# Allegro board 1155001-Timing_board_V3_20241024_1805_pcb.brd (continued)
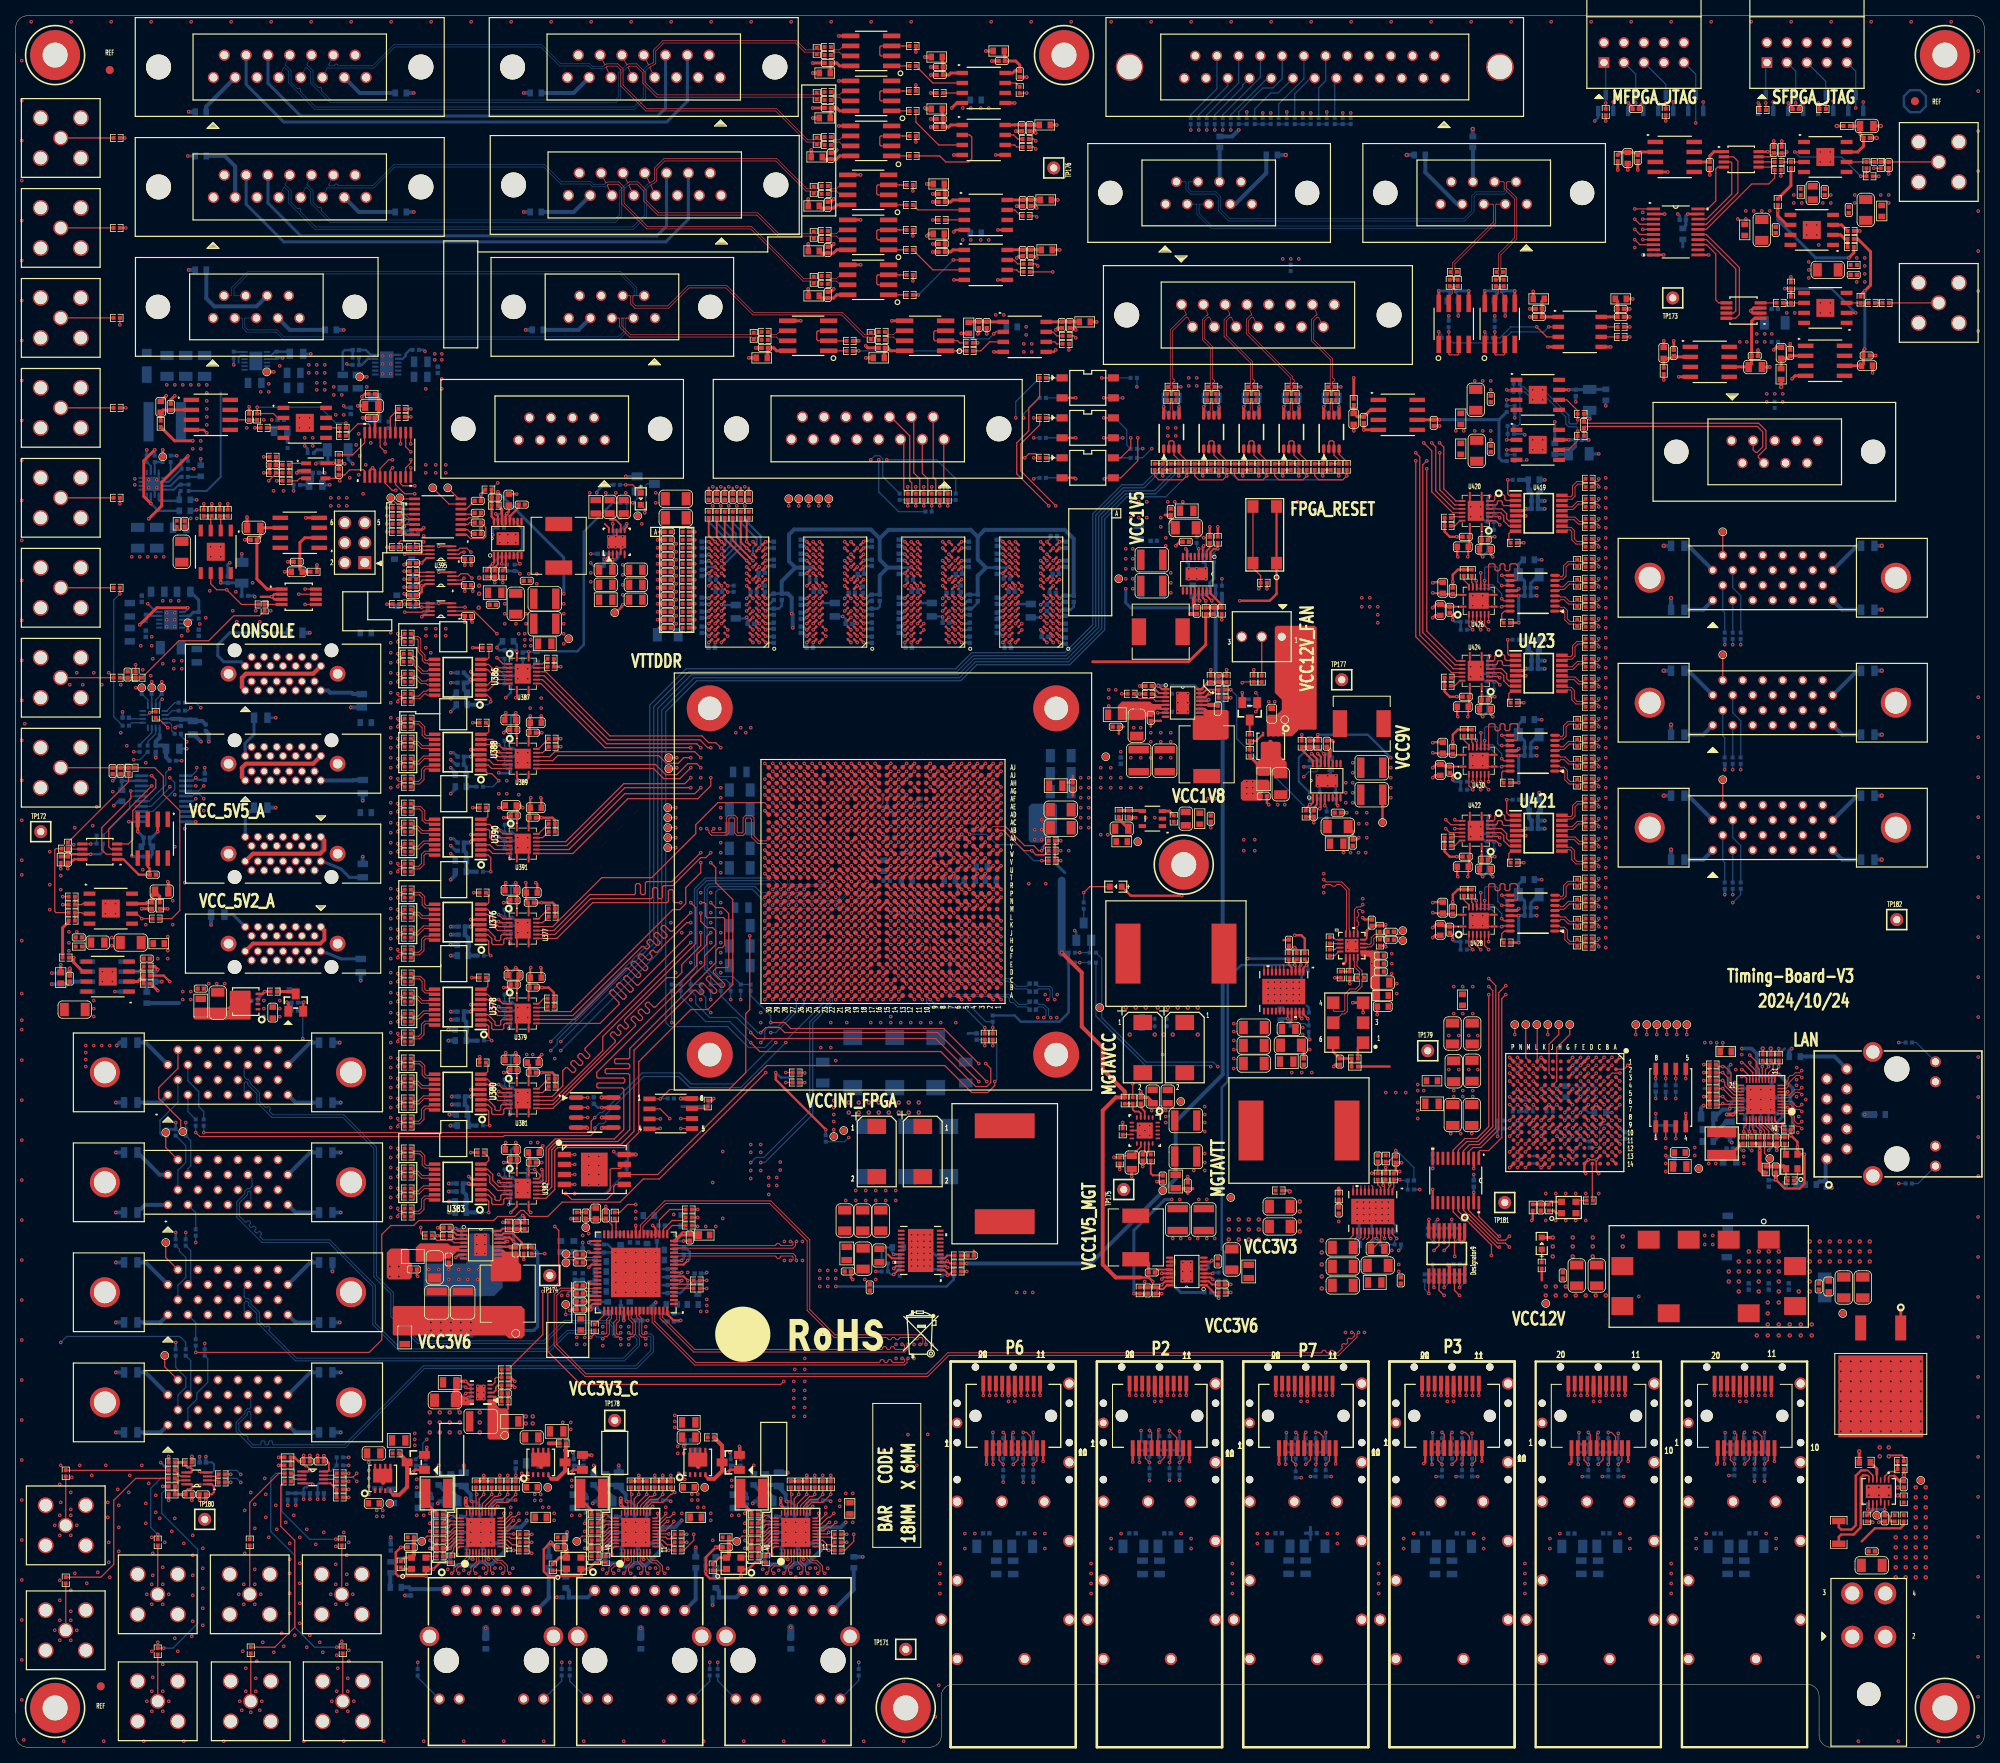
[diagram p0: board, top side]
## Placement (name value [footprint] x y rotation side) (continued)
R165  100  [R0402]  117.14 113.33 180 bottom
R219  10K  [R0402]  74.3 150.11 180 bottom
R220  10K  [R0402]  77.22 158.12 0 bottom
R221  10K  [R0402]  76.07 151.64 180 bottom
R233  33_DNP  [R0402]  123.06 90.3 90 bottom
R276  1K  [R0402_BGA]  103.14 108.5 0 bottom
R277  10K  [R0402]  83.19 82.42 180 bottom
R337  1K  [R0402]  131.57 112.65 180 top
R338  1K_DNP  [R0402]  131.57 115.19 180 top
R339  1K_DNP  [R0402]  131.57 113.92 180 top
R340  1K  [R0402]  131.57 113.92 0 bottom
R341  1K  [R0402]  131.57 115.19 0 bottom
R342  1K_DNP  [R0402]  131.57 112.65 0 bottom
R391  4.7K  [R0402]  184.95 37.08 270 bottom
R392  4.7K  [R0402]  183.68 37.08 270 bottom
R395  330  [R0402]  134.11 100.97 0 bottom
R396  330  [R0402]  135.64 106.93 90 bottom
R455  10K  [R0402]  209.55 207.77 90 top
R456  10K  [R0402]  201.93 207.77 90 top
R458  240  [R0402]  113.54 148.34 180 bottom
R459  0  [R0402]  76.33 156.21 0 bottom
R460  40.2  [R0402]  90.04 156.59 270 top
R461  40.2  [R0402]  89.03 156.59 270 bottom
R462  40.2  [R0402]  91.06 156.59 270 top
R463  40.2  [R0402]  85.09 149.35 0 top
R464  40.2  [R0402]  85.09 153.42 0 top
R465  40.2  [R0402]  92.08 156.59 270 bottom
R466  40.2  [R0402]  85.09 154.43 0 top
R467  40.2  [R0402]  93.09 156.59 270 bottom
R468  40.2  [R0402]  88.01 156.59 270 top
R469  40.2  [R0402]  92.08 156.59 270 top
R470  40.2  [R0402]  85.09 148.34 0 top
R471  40.2  [R0402]  88.01 156.59 270 bottom
R472  40.2  [R0402]  90.04 156.59 270 bottom
R473  40.2  [R0402]  93.09 156.59 270 top
R474  40.2  [R0402]  89.03 156.59 270 top
R475  40.2  [R0402]  91.06 156.59 270 bottom
R476  40.2  [R0402]  85.09 150.37 0 top
R477  40.2  [R0402]  85.09 152.4 0 top
R478  40.2  [R0402]  85.09 151.38 0 top
R479  40.2  [R0402]  85.09 144.27 0 top
R480  40.2  [R0402]  85.09 147.32 0 top
R481  40.2  [R0402]  85.09 146.3 0 top
R482  40.2  [R0402]  85.09 143.26 0 top
R483  40.2  [R0402]  85.09 145.29 0 top
R484  40.2  [R0402]  85.09 142.24 0 top
R488  80.6  [R0402]  91.19 147.19 90 bottom
R490  240  [R0402]  125.86 148.46 180 bottom
R492  240  [R0402]  88.52 148.34 180 bottom
R494  240  [R0402]  101.22 148.34 180 bottom
R495  4.7K  [R0402]  87.88 81.79 270 top
R496  4.7K  [R0402]  69.71 75.31 0 bottom
R497  4.7K  [R0402]  69.71 72.77 0 bottom
R498  4.7K  [R0402]  77.6 73.91 270 bottom
R499  4.7K  [R0402]  71.25 82.55 0 bottom
R500  4.7K  [R0402]  71.25 81.28 0 bottom
R501  4.7K  [R0402]  71.25 80.01 0 bottom
R502  0_DNP  [R0402]  90.81 96.52 270 bottom
R503  0  [R0402]  85.72 96.52 270 bottom
R504  0_DNP  [R0402]  87 96.52 270 bottom
R505  0  [R0402]  84.45 96.52 270 bottom
R506  0_DNP  [R0402]  83.31 96.52 270 bottom
R507  0  [R0402]  123.06 90.3 270 top
R508  0_DNP  [R0402]  124.08 90.3 270 bottom
R509  0  [R0402]  93.34 96.52 270 bottom
R510  0_DNP  [R0402]  92.08 96.52 270 bottom
R511  0  [R0402]  89.53 96.52 270 bottom
R512  0_DNP  [R0402]  88.27 96.52 270 bottom
R513  4.7K  [R0402]  183.39 65.53 270 bottom
R516  4.7K  [R0402]  182.41 38.86 90 bottom
R517  4.7K  [R0402]  181.14 38.86 90 bottom
R520  4.7K  [R0402]  145.25 39.12 90 bottom
R521  4.7K  [R0402]  143.98 39.12 90 bottom
R657  1K  [R0402]  204.47 77.72 90 bottom
R658  4.7K  [R0402]  208.28 78.61 270 bottom
R659  4.7K  [R0402]  210.82 78.61 270 bottom
R660  4.7K  [R0402]  209.55 83.69 90 bottom
R665  0_DNP  [R0402_BGA]  198.72 80.14 0 bottom
R666  0_DNP  [R0402]  194.82 80.77 180 bottom
R667  10K  [R0402]  229.49 208.15 0 top
R668  10K  [R0402]  221.87 208.03 0 top
R669  0  [R0402]  199.9 69.47 0 top
R670  0  [R0402]  210.82 83.69 270 bottom
R676  0  [R0402]  124.08 90.3 270 top
R678  0  [R0402]  136.78 99.69 0 bottom
R680  0  [R0402]  136.78 100.97 0 bottom
R784  4.7K  [R0402]  188.59 79.63 0 bottom
R785  4.7K  [R0402]  192.28 80.77 0 bottom
R786  0  [R0402]  190.5 80.77 0 bottom
R787  330  [R0402]  188.59 78.61 0 bottom
R788  0_DNP  [R0402]  199.9 76.58 90 bottom
R789  0_DNP  [R0402_BGA]  196.72 80.15 180 bottom
R790  0_DNP  [R0402_BGA]  196.72 81.15 180 bottom
R791  0_DNP  [R0402_BGA]  198.22 81.64 90 bottom
R833  10_DNP  [R0603]  227.97 71.5 180 bottom
R834  330  [R0402]  240.41 71.63 0 bottom
R835  330  [R0402]  240.41 89.53 0 bottom
R844  0  [R0402]  222.63 77.09 90 top
R845  2.49K  [R0402]  225.04 78.49 0 top
R848  0  [R0402]  225.43 72.01 180 top
R849  1.5K  [R0402]  222.88 87.63 270 bottom
R850  4.7K  [R0402]  220.47 77.09 90 top
R851  4.7K  [R0402]  223.9 87.63 270 bottom
R852  0  [R0402]  219.46 77.09 270 bottom
R853  0  [R0402]  223.9 87.63 90 top
R854  0  [R0402]  222.88 87.63 90 top
R855  0  [R0402]  221.87 87.63 90 top
R856  4.7K_DNP  [R0402]  215.52 86.74 180 bottom
R857  4.7K  [R0402]  215.52 86.74 0 top
R858  0  [R0402]  224.66 77.09 90 top
R860  4.7K_DNP  [R0402]  215.52 81.66 0 bottom
R861  4.7K_DNP  [R0402]  215.52 82.68 0 bottom
R862  4.7K_DNP  [R0402]  215.52 85.72 0 top
R863  4.7K  [R0402]  215.52 84.71 0 top
R864  4.7K  [R0402]  215.52 83.69 0 bottom
R865  4.7K_DNP  [R0402]  221.49 77.09 90 top
R866  4.7K_DNP  [R0402]  221.49 77.09 90 bottom
R867  4.7K  [R0402]  220.47 77.09 90 bottom
R868  4.7K  [R0402]  215.52 81.66 180 top
R869  4.7K  [R0402]  215.52 82.68 180 top
R870  4.7K  [R0402]  215.52 85.72 180 bottom
R871  4.7K_DNP  [R0402]  215.52 84.71 180 bottom
R872  4.7K_DNP  [R0402]  215.52 83.69 180 top
R873  4.7K  [R0402]  221.62 79.38 90 bottom
R874  4.7K  [R0402]  220.6 79.38 90 bottom
R875  4.7K_DNP  [R0402]  219.58 79.38 90 bottom
R931  0  [R0402]  16.76 126.87 90 bottom
R934  0  [R0402]  13.97 129.79 0 bottom
R935  0  [R0402]  18.54 134.24 90 bottom
R936  0  [R0402]  17.27 134.24 90 bottom
R937  0  [R0402]  16 134.24 90 bottom
R943  0  [R0402]  20.57 128.78 0 bottom
R944  0  [R0402]  21.08 131.7 0 bottom
R945  0  [R0402]  21.08 132.72 0 bottom
R946  0  [R0402]  17.78 131.19 270 top
R984  0_DNP  [R0402]  170.05 87.5 180 top
R985  100  [R0402]  170.81 97.79 180 top
R986  0  [R0402]  194.69 68.58 90 top
R987  10K  [R0402]  169.42 98.17 90 top
R988  0_DNP  [R0402]  168.28 98.17 90 top
R991  49.9  [R0402]  173.25 102.23 270 top
R992  49.9  [R0402]  173.23 104.01 90 top
R993  0  [R0402]  12.83 158.75 0 top
R994  0  [R0402]  74.3 63.88 180 bottom
R995  0  [R0402]  86.49 58.29 0 top
R996  0  [R0402]  86.49 59.31 0 top
R997  0  [R0402]  85.47 66.29 0 top
R998  0  [R0402]  85.47 67.31 0 top
R999  0  [R0402]  85.47 68.33 0 top
R1000  0  [R0402]  76.07 67.56 90 top
R1001  0  [R0402]  73.53 53.34 270 top
R1004  11K  [R0402]  71.25 67.56 90 top
R1005  430  [R0402]  71.5 58.42 180 bottom
R1033  10K  [R0402]  235.08 29.08 90 top
R1034  10m  [R1206]  231.52 27.3 90 top
R1036  100K  [R0402]  239.78 31.5 90 top
R1037  680K  [R0402]  239.78 29.08 90 top
R1038  1M  [R0402]  234.82 30.91 0 bottom
R1039  1M  [R0402]  238.63 29.08 270 top
R1040  49.9K  [R0402]  239.4 36.35 180 top
R1041  100K  [R0402]  119.63 61.47 180 top
R1042  187K_DNP  [R0402]  110.36 60.45 0 bottom
R1043  110K  [R0402]  112.27 60.33 90 bottom
R1044  100K  [R0402]  112.27 61.98 270 bottom
R1045  44.2K  [R0402]  119.13 60.33 90 bottom
R1046  15K  [R0402]  117.6 60.33 270 bottom
R1047  10K  [R0402]  119.63 60.45 0 top
R1048  10K  [R0402]  117.6 62.1 90 bottom
R1049  2  [R0402]  119.63 62.48 0 top
R1050  124K_DNP  [R0402]  110.36 61.47 0 bottom
R1051  0  [R0402]  166.5 118.49 90 bottom
R1052  18.2K  [R0402]  165.61 120.9 90 bottom
R1053  0_DNP  [R0402]  167.64 120.9 270 bottom
R1054  0  [R0402]  163.83 118.62 90 top
R1055  1M  [R0402]  165.35 127.51 90 top
R1056  97.6K  [R0402]  163.32 127.51 90 top
R1057  1M  [R0402]  153.78 135.73 90 top
R1058  10K  [R0402]  153.16 133.35 180 top
R1059  0  [R0402]  141.6 133.86 0 top
R1060  0  [R0402]  153.16 134.37 180 top
R1061  0_DNP  [R0402]  146.43 134.87 0 bottom
R1062  10  [R0603]  234.82 36.2 0 top
R1063  4.99K  [R0402]  239.4 35.33 0 top
R1064  0  [R0402]  146.43 133.86 180 bottom
R1065  52.3K  [R0402]  143.88 133.83 180 top
R1066  0_DNP  [R0402]  146.46 131.56 180 bottom
R1067  0  [R0402]  149.99 153.42 270 bottom
R1068  52.3K  [R0402]  150.88 151 270 bottom
R1069  0_DNP  [R0402]  148.84 151 90 bottom
R1070  0  [R0402]  152.65 153.42 270 top
R1071  0_DNP  [R0402]  152.15 151 270 bottom
R1072  1M  [R0402]  151.13 144.4 270 top
R1073  1.13M  [R0402]  153.16 144.4 270 top
R1074  10K  [R0402]  152.78 146.56 180 bottom
R1075  0  [R0402]  152.78 147.57 180 bottom
R1076  100K  [R0402]  173.99 72.52 270 top
R1077  187K_DNP  [R0402]  175.51 63.88 180 bottom
R1078  110K  [R0402]  174.88 65.53 180 bottom
R1079  100K  [R0402]  172.59 65.41 0 bottom
R1080  10K  [R0402]  177.16 70.87 180 bottom
R1081  0_DNP  [R0402]  164.34 120.9 90 bottom
R1083  2  [R0402]  172.97 72.52 90 top
R1084  124K_DNP  [R0402]  173.74 63.88 0 bottom
R1085  45.3K  [R0402]  175.01 72.52 90 top
R1086  10K  [R0402]  164.34 124.97 90 bottom
R1088  0  [R0402]  165.35 124.97 90 bottom
R1089  806K  [R0402]  151.76 135.76 90 top
R1090  0  [R0402]  173.81 72.54 90 bottom
R1091  100K  [R0402]  162.69 100.5 270 top
R1092  187K_DNP  [R0402]  164.21 91.31 90 bottom
R1093  110K  [R0402]  163.83 93.34 180 bottom
R1094  100K  [R0402]  162.18 93.34 0 bottom
R1095  15K  [R0402]  163.7 98.68 0 bottom
R1098  2  [R0402]  161.67 100.5 90 top
R1099  124K_DNP  [R0402]  162.31 91.69 0 bottom
R1100  10K  [R0402]  163.7 100.5 90 top
R1101  0  [R0402]  162.05 100.2 180 bottom
R1102  0  [R0402]  153.16 60.33 180 bottom
R1103  52.3K  [R0402]  153.16 59.31 0 bottom
R1104  0_DNP  [R0402]  151 60.96 0 bottom
R1105  0  [R0402]  153.16 57.78 180 top
R1106  0_DNP  [R0402]  151.38 57.78 180 bottom
R1107  1M  [R0402]  142.75 58.04 270 top
R1108  1.13M  [R0402]  144.78 58.04 270 top
R1109  10K  [R0402]  144.4 58.04 270 bottom
R1110  0  [R0402]  143.38 58.04 270 bottom
R1111  0  [R0402]  140.59 78.23 270 top
R1112  10K  [R0402]  140.84 82.17 270 top
R1113  0  [R0402]  141.86 82.17 90 top
R1114  0  [R0402]  144.15 74.93 270 top
R1115  0  [R0402]  140.21 74.55 90 top
R1139  10K  [R0402]  64.52 63.12 90 top
R1140  0  [R0402]  52.45 65.02 0 top
R1141  0  [R0402]  65.53 63.12 90 top
R1142  0_DNP  [R0402]  57.02 65.79 0 bottom
R1143  0  [R0402]  57.02 64.77 180 bottom
R1144  52.3K  [R0402]  54.72 64.99 180 top
R1145  0_DNP  [R0402]  57.02 62.36 180 bottom
R1146  1M  [R0402]  64.63 66.26 90 top
R1147  287K  [R0402]  62.61 66.29 90 top
R1149  0  [R0402]  175.01 72.52 90 bottom
R1154  0  [R0402]  62.1 48.01 0 top
R1196  100K  [R0402]  156.61 132.75 90 bottom
R1197  0  [R0402]  157.75 132.75 90 bottom
R1198  100K  [R0402]  156.72 126.36 90 top
R1199  4.7K  [R0402]  102.87 77.34 270 bottom
R1894  7.5K  [R0402]  27.69 176.91 270 bottom
R1895  100K  [R0402]  33.15 176.91 270 bottom
R1908  0  [R0402]  12.83 170.18 0 top
R1910  0  [R0402]  12.83 204.47 0 top
R1911  0  [R0402]  14.33 124.06 270 top
R1922  0  [R0402]  48.26 157.48 0 top
R1923  0  [R0402]  48.26 156.46 0 top
R1924  0  [R0402]  48.26 156.46 180 bottom
R1925  0_DNP  [R0402]  48.26 154.43 180 top
R1928  1K  [R0402]  157.23 135.76 270 top
R1929  0  [R0402]  158.24 135.76 270 top
R2046  0_DNP  [R0402]  219.33 77.09 90 top
R2047  0  [R0402]  223.65 77.09 270 bottom
R2048  0  [R0402]  217.55 85.34 90 bottom
R2050  4.7K  [R0402]  193.8 61.21 90 top
R2051  4.7K  [R0402]  127.95 37.08 270 bottom
R2052  4.7K  [R0402]  129.22 37.08 270 bottom
R2053  4.7K  [R0402]  127.95 38.86 90 bottom
R2054  4.7K  [R0402]  126.68 37.08 270 bottom
R2055  4.7K  [R0402]  124.14 37.08 270 bottom
R2056  4.7K_DNP  [R0402]  125.41 37.08 270 bottom
R2057  4.7K  [R0402]  126.68 38.86 90 bottom
R2058  4.7K  [R0402]  125.41 38.86 90 bottom
R2059  4.7K  [R0402]  165.1 37.08 270 bottom
R2060  4.7K  [R0402]  166.37 37.08 270 bottom
R2061  4.7K  [R0402]  165.1 38.86 90 bottom
R2062  4.7K  [R0402]  163.83 37.08 270 bottom
R2063  4.7K  [R0402]  161.29 37.08 270 bottom
R2064  4.7K_DNP  [R0402]  162.56 37.08 270 bottom
R2065  4.7K  [R0402]  163.83 38.86 90 bottom
R2066  4.7K  [R0402]  162.56 38.86 90 bottom
R2070  49.9  [R0402]  34.29 162.94 180 top
R2071  0  [R0402]  41.02 163.83 270 top
R2073  10K  [R0402]  30.66 169.06 90 top
R2074  10K  [R0402]  41.53 167.64 0 top
R2075  4.99K  [R0402]  31.5 167.64 180 top
R2077  0  [R0402]  49.02 170.05 0 top
R2078  0  [R0402]  49.02 169.04 0 top
R2079  4.02K  [R0402]  43.18 176.58 0 bottom
R2080  1.21K  [R0402]  43.18 175.64 180 bottom
R2083  0  [R0402]  50.8 177.55 180 bottom
R2127  0  [R0805]  43.81 99.31 270 bottom
R2128  0  [R0805]  25.65 105.79 180 bottom
R2129  0  [R0805]  35.56 141.6 0 bottom
R2130  0  [R0805]  43.94 132.97 270 bottom
R2131  0  [R0805]  44.07 111.38 90 bottom
R2132  0  [R0805]  31.11 119.38 0 bottom
R2162  0  [R0402]  154.31 206.63 90 bottom
R2163  0  [R0402]  152.27 206.63 90 bottom
R2164  0  [R0402]  150.24 206.63 90 bottom
R2165  0  [R0402]  149.22 206.63 90 bottom
R2166  0  [R0402]  151.26 206.63 90 bottom
R2167  0  [R0402]  153.29 206.63 90 bottom
R2168  0_DNP  [R0402]  48.26 155.45 180 top
R2169  0  [R0402]  48.26 155.45 180 bottom
R2183  2.2K  [R0402]  130.43 173.99 0 top
R2184  4.7K  [R0402]  168.53 206.63 270 bottom
R2185  0  [R0402]  166.5 206.63 270 bottom
R2186  0  [R0402]  169.54 206.63 90 bottom
R2187  4.7K  [R0402]  163.45 206.63 270 bottom
R2188  0  [R0402]  161.42 206.63 270 bottom
R2189  0  [R0402]  164.47 206.63 90 bottom
R2190  0  [R0805]  14.61 67.95 180 bottom
R2191  0  [R0805]  14.61 75.57 180 bottom
R2192  0_DNP  [R0402]  20.32 78.11 90 bottom
R2193  0  [R0805]  39.37 67.94 0 bottom
R2194  0  [R0805]  39.37 75.56 0 bottom
R2195  0  [R0805]  14.61 81.92 180 bottom
R2196  0  [R0805]  14.61 89.54 180 bottom
R2197  0_DNP  [R0402]  19.18 78.11 90 bottom
R2198  0  [R0805]  39.37 81.91 0 bottom
R2199  0  [R0805]  39.37 89.53 0 bottom
R2273  0  [R0402]  61.85 149.12 90 top
R2274  52.3K  [R0402]  62.38 149.86 270 bottom
R2275  0_DNP  [R0402]  63.35 149.86 90 bottom
R2276  0  [R0402]  59.82 149.12 90 top
R2277  0_DNP  [R0402]  62.87 151.26 0 bottom
R2278  1M  [R0402]  60.83 157.76 0 top
R2279  191K  [R0402]  60.03 159.79 180 top
R2280  10K  [R0402]  61.59 154.97 0 bottom
R2281  0  [R0402]  61.59 155.98 0 bottom
R2327  0  [R0805]  14.61 53.98 180 bottom
R2328  0  [R0805]  14.61 61.6 180 bottom
R2329  0_DNP  [R0402]  20.32 64.14 90 bottom
R2330  0  [R0805]  39.37 53.97 0 bottom
R2331  0  [R0805]  39.37 61.59 0 bottom
R2344  0  [R0402]  12.83 147.32 0 top
R2345  1K  [R0402]  12.83 135.89 0 top
R2352  2.2K  [R0402]  130.43 168.91 0 top
R2353  2.2K  [R0402]  130.43 163.83 0 top
R2354  4.7K  [R0402]  158.37 206.63 270 bottom
R2355  0  [R0402]  159.38 206.63 90 bottom
R2356  0  [R0402]  156.34 206.63 270 bottom
R2357  0  [R0402]  157.35 206.63 90 bottom
R2358  0  [R0402]  162.43 206.63 90 bottom
R2359  0  [R0402]  167.51 206.63 90 bottom
R2360  0  [R0402]  155.32 206.63 90 bottom
R2361  0  [R0402]  160.4 206.63 90 bottom
R2362  0  [R0402]  165.48 206.63 90 bottom
R2368  0_DNP  [R0402]  6.22 114.17 180 top
R2401  0  [R0402]  56.26 46.23 270 bottom
R2402  10K  [R0402]  62.1 46.99 180 top
R2403  1.15K  [R0402]  62.1 45.97 0 top
R2404  3.57K  [R0402]  62.1 43.94 0 top
R2405  2.2K  [R0402]  141.99 164.97 180 bottom
R2406  2.2K  [R0402]  141.99 173.99 180 bottom
R2407  2.2K  [R0402]  141.99 163.83 180 bottom
R2409  4.7K  [R0402]  118.36 158.88 270 bottom
R2410  0  [R0402]  117.35 158.88 270 bottom
R2411  0  [R0402]  119.38 158.88 90 bottom
R2412  4.7K  [R0402]  116.33 158.88 270 bottom
R2413  0  [R0402]  115.32 158.88 270 bottom
R2414  0  [R0402]  115.93 156.99 180 bottom
R2415  4.7K  [R0402]  113.28 158.88 270 bottom
R2416  0  [R0402]  114.3 158.88 270 bottom
R2417  0  [R0402]  112.27 158.88 90 bottom
R2418  0  [R0402]  118.36 158.88 270 top
R2419  0  [R0402]  117.35 158.88 270 top
R2420  0  [R0402]  116.33 158.88 270 top
R2421  0  [R0402]  115.32 158.88 270 top
R2422  0  [R0402]  113.28 158.88 270 top
R2423  0  [R0402]  114.3 158.88 270 top
R2424  0  [R0402]  130.43 168.91 180 bottom
R2425  0  [R0402]  130.43 166.37 180 bottom
R2426  0  [R0402]  130.43 173.99 180 bottom
R2427  0  [R0402]  130.43 171.45 180 bottom
R2428  0  [R0402]  130.43 163.83 180 bottom
R2429  0  [R0402]  130.43 161.29 180 bottom
R2432  4.7K_DNP  [R0402]  184.95 34.8 270 bottom
R2433  4.7K_DNP  [R0402]  183.68 34.8 270 bottom
R2434  4.7K_DNP  [R0402]  147.79 35.05 270 bottom
R2435  4.7K_DNP  [R0402]  146.52 35.05 270 bottom
R2436  4.7K_DNP  [R0402]  129.22 34.8 270 bottom
R2437  4.7K_DNP  [R0402]  127.95 34.8 270 bottom
R2438  4.7K_DNP  [R0402]  166.37 34.8 270 bottom
R2439  4.7K_DNP  [R0402]  165.1 34.8 270 bottom
R2440  100K  [R0402]  23.24 143.81 270 bottom
R2447  0  [R0402]  41.53 166.62 0 top
R2448  0  [R0402]  34.29 160.91 0 top
R2449  0  [R0805]  14.61 40.01 180 bottom
R2450  0  [R0805]  14.61 47.63 180 bottom
R2451  0_DNP  [R0402]  20.32 50.16 90 bottom
R2452  0  [R0805]  39.37 40 0 bottom
R2453  0  [R0805]  39.37 47.62 0 bottom
R2458  0  [R0805]  44.07 122.05 270 bottom
R2459  0  [R0805]  31.11 130.81 0 bottom
R2461  1.5K  [R0402]  99.06 85.72 0 bottom
R2462  1.5K  [R0402]  99.06 84.45 0 bottom
R2463  0  [R0402]  99.06 84.45 0 top
R2464  0  [R0402]  99.06 85.72 0 top
R2467  4.7K  [R0402]  73.53 28.45 0 top
R2468  4.7K  [R0402]  84.07 25.02 180 bottom
R2469  100  [R0402]  84.07 26.04 0 top
R2470  100  [R0402]  84.07 27.05 0 top
R2471  0  [R0402]  73.53 29.46 180 bottom
R2472  0  [R0402]  84.07 25.02 0 top
R2473  0_DNP  [R0402]  73.53 29.59 0 top
R2474  0  [R0402]  73.53 25.27 180 bottom
R2475  0  [R0402]  81.79 31.37 0 bottom
R2476  2.49K  [R0402]  74.93 23.88 270 top
R2477  0  [R0402]  73.53 26.29 0 top
R2478  4.7K_DNP  [R0402]  83.19 33.4 270 top
R2479  4.7K  [R0402]  78.11 33.4 270 bottom
R2480  4.7K_DNP  [R0402]  79.12 33.4 270 bottom
R2481  4.7K_DNP  [R0402]  82.17 33.4 270 top
R2482  4.7K  [R0402]  81.15 33.4 270 top
R2483  4.7K  [R0402]  80.14 33.4 270 bottom
R2484  4.7K_DNP  [R0402]  73.53 27.43 0 top
R2485  4.7K_DNP  [R0402]  73.53 27.43 0 bottom
R2486  4.7K  [R0402]  73.53 28.45 0 bottom
R2487  0  [R0402]  68.2 22.86 90 top
R2488  0  [R0402]  73.53 24.26 0 top
R2489  4.7K  [R0402]  83.19 33.4 90 bottom
R2490  4.7K_DNP  [R0402]  78.11 33.4 90 top
R2491  4.7K  [R0402]  79.12 33.4 90 top
R2492  4.7K  [R0402]  82.17 33.4 90 bottom
R2493  4.7K_DNP  [R0402]  81.15 33.4 90 bottom
R2494  4.7K_DNP  [R0402]  80.14 33.4 90 top
R2495  4.7K  [R0402]  75.82 27.3 0 bottom
R2496  4.7K  [R0402]  75.82 28.32 0 bottom
R2497  4.7K_DNP  [R0402]  75.82 29.34 0 bottom
R2498  4.7K  [R0402]  93.85 28.45 0 top
R2499  4.7K  [R0402]  104.39 25.02 180 bottom
R2500  100  [R0402]  104.39 26.04 0 top
R2501  100  [R0402]  104.39 27.05 0 top
R2502  0  [R0402]  93.85 29.46 180 bottom
R2503  0_DNP  [R0402]  93.85 29.59 0 top
R2504  0  [R0402]  104.39 25.02 0 top
R2505  0  [R0402]  93.85 25.27 180 bottom
R2506  0  [R0402]  102.11 31.37 0 bottom
R2507  2.49K  [R0402]  95.25 23.88 270 top
R2508  0  [R0402]  93.85 26.29 0 top
R2509  4.7K  [R0402]  103.5 33.4 270 top
R2510  4.7K  [R0402]  98.42 33.4 270 bottom
R2511  4.7K_DNP  [R0402]  99.44 33.4 270 bottom
R2512  4.7K_DNP  [R0402]  102.49 33.4 270 top
R2513  4.7K  [R0402]  101.47 33.4 270 top
R2514  4.7K  [R0402]  100.46 33.4 270 bottom
R2515  4.7K_DNP  [R0402]  93.85 27.43 0 top
R2516  4.7K_DNP  [R0402]  93.85 27.43 0 bottom
R2517  4.7K  [R0402]  93.85 28.45 0 bottom
R2518  0  [R0402]  88.52 22.86 90 top
R2519  0  [R0402]  93.85 24.26 0 top
R2520  4.7K_DNP  [R0402]  103.5 33.4 90 bottom
R2521  4.7K_DNP  [R0402]  98.42 33.4 90 top
R2522  4.7K  [R0402]  99.44 33.4 90 top
R2523  4.7K  [R0402]  102.49 33.4 90 bottom
R2524  4.7K_DNP  [R0402]  101.47 33.4 90 bottom
R2525  4.7K_DNP  [R0402]  100.46 33.4 90 top
R2526  4.7K  [R0402]  96.14 27.3 0 bottom
R2527  4.7K  [R0402]  96.14 28.32 0 bottom
R2528  4.7K_DNP  [R0402]  96.14 29.34 0 bottom
R2529  3.01K  [R0402]  173.99 74.8 270 top
R2530  200_DNP  [R0402]  160.4 70.74 0 top
R2531  2_DNP  [R0402]  168.02 69.98 270 top
R2532  4.7K  [R0402]  147.07 117.98 90 top
R2533  18.2K  [R0402]  140.08 118.62 90 top
R2534  40.2K  [R0402]  141.35 118.62 270 top
R2535  100K  [R0402]  69.47 38.61 0 top
R2536  0  [R0402]  70.87 36.2 90 bottom
R2537  100K  [R0402]  72.14 36.2 90 bottom
R2538  100K  [R0402]  88.27 39.37 0 top
R2539  0  [R0402]  90.81 36.2 90 bottom
R2540  100K  [R0402]  92.08 36.2 90 bottom
R2541  100K  [R0402]  156.72 128.27 90 top
R2558  1K  [R0402]  181.14 34.8 90 bottom
R2559  1K  [R0402]  143.98 35.03 90 bottom
R2560  1K  [R0402]  125.41 34.8 90 bottom
R2561  1K  [R0402]  162.56 34.65 90 bottom
R2563  10_DNP  [R0603]  69.85 20.95 90 bottom
R2564  10_DNP  [R0603]  88.9 20.95 90 bottom
R2573  330  [R0402]  70.36 9.53 270 bottom
R2574  330  [R0402]  89.15 9.53 270 bottom
R2575  330  [R0402]  88.14 9.53 270 bottom
R2576  330  [R0402]  107.06 9.53 270 bottom
R2609  4.7K_DNP  [R0402]  19.81 32.13 0 bottom
R2610  1K  [R0402]  21.97 32.13 180 bottom
R2611  100  [R0402]  19.81 34.16 0 bottom
R2612  0  [R0402]  26.16 34.67 0 bottom
R2613  100  [R0402]  19.81 33.15 0 bottom
R2614  0  [R0402]  26.16 33.66 0 bottom
R2615  4.7K_DNP  [R0402]  41.15 36.83 0 bottom
R2616  1K  [R0402]  41.15 35.81 0 bottom
R2617  0  [R0402]  34.54 33.78 0 bottom
R2618  100  [R0402]  41.15 33.78 0 bottom
R2619  0  [R0402]  34.54 34.8 0 bottom
R2620  100  [R0402]  41.15 34.8 0 bottom
R2621  4.7K_DNP  [R0402]  19.81 36.2 0 top
R2622  1K  [R0402]  21.97 36.2 180 top
R2623  100  [R0402]  19.81 34.16 0 top
R2624  0  [R0402]  26.16 33.66 0 top
R2625  100  [R0402]  19.81 35.18 0 top
R2626  0  [R0402]  26.16 34.67 0 top
R2627  4.7K_DNP  [R0402]  41.15 31.75 0 top
R2628  1K  [R0402]  41.15 32.77 0 top
R2629  0  [R0402]  34.54 34.8 0 top
R2630  100  [R0402]  41.15 34.8 0 top
R2631  0  [R0402]  34.54 33.78 0 top
R2632  100  [R0402]  41.15 33.78 0 top
R2741  4.7K  [R0402]  53.85 28.45 0 top
R2742  4.7K  [R0402]  64.39 25.02 180 bottom
R2743  100  [R0402]  64.39 26.04 0 top
R2744  100  [R0402]  64.39 27.05 0 top
R2745  0  [R0402]  53.85 29.46 180 bottom
R2746  0_DNP  [R0402]  53.85 29.59 0 top
R2747  0  [R0402]  64.39 25.02 0 top
R2748  0  [R0402]  53.85 25.27 180 bottom
R2749  0  [R0402]  62.1 31.37 0 bottom
R2750  2.49K  [R0402]  55.24 23.88 270 top
R2751  0  [R0402]  53.85 26.29 0 top
R2752  4.7K  [R0402]  63.5 33.4 270 top
R2753  4.7K_DNP  [R0402]  58.42 33.4 270 bottom
R2754  4.7K_DNP  [R0402]  59.44 33.4 270 bottom
R2755  4.7K_DNP  [R0402]  62.48 33.4 270 top
R2756  4.7K  [R0402]  61.47 33.4 270 top
R2757  4.7K  [R0402]  60.45 33.4 270 bottom
R2758  4.7K_DNP  [R0402]  53.85 27.43 0 top
R2759  4.7K_DNP  [R0402]  53.85 27.43 0 bottom
R2760  4.7K  [R0402]  53.85 28.45 0 bottom
R2761  0  [R0402]  48.9 23.24 90 top
R2762  0  [R0402]  53.85 24.26 0 top
R2763  4.7K_DNP  [R0402]  63.5 33.4 90 bottom
R2764  4.7K  [R0402]  58.42 33.4 90 top
R2765  4.7K  [R0402]  59.44 33.4 90 top
R2766  4.7K  [R0402]  62.48 33.4 90 bottom
R2767  4.7K_DNP  [R0402]  61.47 33.4 90 bottom
R2768  4.7K_DNP  [R0402]  60.45 33.4 90 top
R2769  4.7K  [R0402]  56.13 27.3 0 bottom
R2770  4.7K  [R0402]  56.13 28.32 0 bottom
R2771  4.7K_DNP  [R0402]  56.13 29.34 0 bottom
R2772  100  [R0402]  166.88 100.97 270 top
R2774  100K  [R0402]  48.26 37.34 0 top
R2775  0  [R0402]  50.8 36.2 90 bottom
R2776  100K  [R0402]  52.07 36.2 90 bottom
R2777  0_DNP  [R0402]  24 50.16 90 bottom
R2778  0_DNP  [R0402]  22.86 65.41 270 bottom
R2779  0_DNP  [R0402]  22.86 79.38 270 bottom
R2780  0_DNP  [R0402]  21.59 50.16 90 bottom
R2781  0_DNP  [R0402]  21.59 78.11 90 bottom
R2782  0_DNP  [R0402]  23.88 79.38 270 bottom
R2783  0_DNP  [R0402]  22.86 51.44 270 bottom
R2784  0_DNP  [R0402]  21.59 64.14 90 bottom
R2785  10_DNP  [R0603]  48.26 20.32 180 bottom
R2790  330  [R0402]  51.05 9.53 270 bottom
R2791  330  [R0402]  69.34 9.53 270 bottom
R2805  0_DNP  [R0805]  217.3 63.12 90 bottom
R2806  0  [R0805]  217.42 66.67 270 bottom
R2873  1K  [R0402]  59.31 108.58 0 top
R2874  4.7K_DNP  [R0402]  62.48 106.43 0 bottom
R2875  4.7K_DNP  [R0402]  62.48 103.38 0 bottom
R2876  4.7K  [R0402]  59.05 100.58 0 bottom
R2877  0  [R0402]  49.78 101.35 180 top
R2878  0  [R0402]  49.78 100.33 180 top
R2879  0  [R0402]  49.78 102.87 180 top
R2880  0  [R0402]  49.78 103.89 180 top
R2881  0  [R0402]  49.78 106.43 180 top
R2882  0  [R0402]  49.78 105.41 180 top
R2883  1K  [R0402]  68.07 106.55 0 top
R2884  1K  [R0402]  62.48 105.41 0 bottom
R2886  1K  [R0402]  68.07 105.54 0 top
R2887  1K  [R0402]  62.48 104.39 0 bottom
R2889  4.7K  [R0402]  59.05 89.79 0 bottom
R2890  0  [R0402]  49.78 107.95 180 top
R2891  1K  [R0402]  59.31 97.79 0 top
R2892  0  [R0402]  49.78 108.97 180 top
R2893  0  [R0402]  49.78 90.68 180 top
R2894  0  [R0402]  49.78 89.66 180 top
R2895  0  [R0402]  49.78 92.2 180 top
R2896  0  [R0402]  49.78 93.22 180 top
R2897  4.7K_DNP  [R0402]  62.48 95.63 0 bottom
R2898  4.7K_DNP  [R0402]  62.48 92.58 0 bottom
R2899  0  [R0402]  49.78 95.76 180 top
R2900  0  [R0402]  49.78 94.74 180 top
R2901  1K  [R0402]  67.94 94.11 0 top
R2902  1K  [R0402]  62.48 93.6 0 bottom
R2903  1K  [R0402]  67.94 95.12 0 top
R2904  1K  [R0402]  62.48 94.61 0 bottom
R2905  4.7K  [R0402]  58.93 78.99 0 bottom
R2907  1K  [R0402]  59.31 87 0 top
R2909  0  [R0402]  49.78 97.28 180 top
R2910  0  [R0402]  49.78 98.3 180 top
R2911  0  [R0402]  49.78 79.88 180 top
